# KiCad board xiao_Breadboard_r1.kicad_pcb
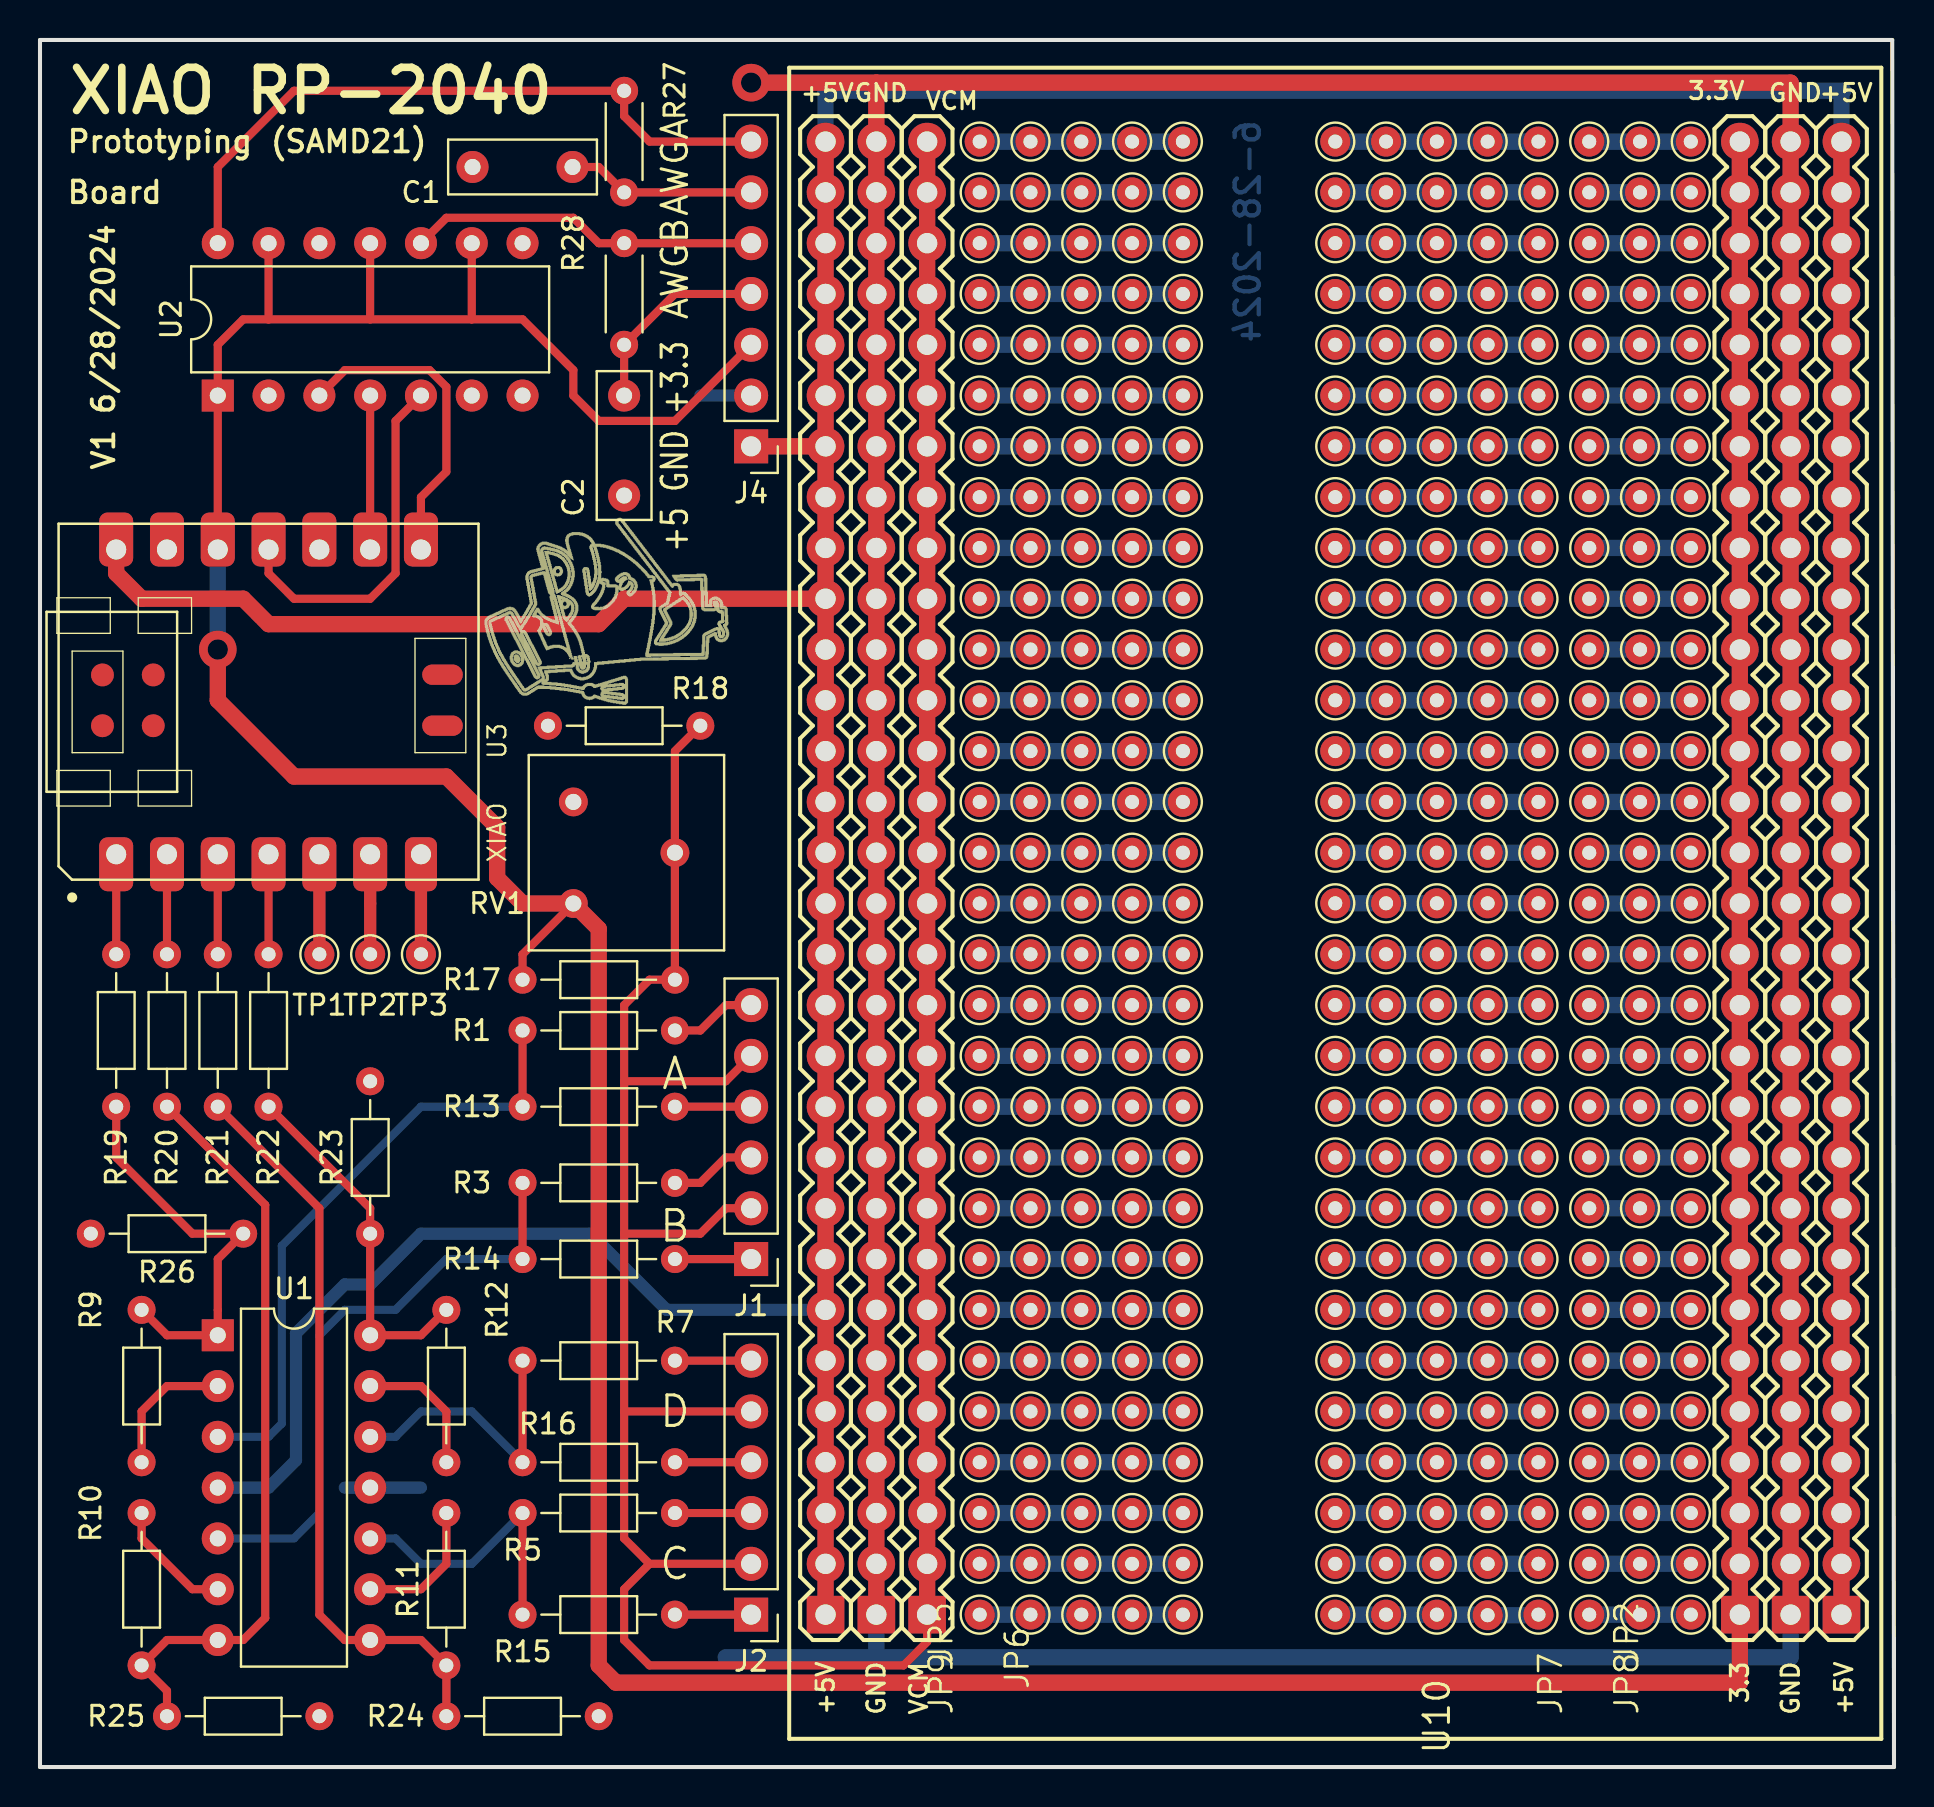
[diagram p0: board, top side]
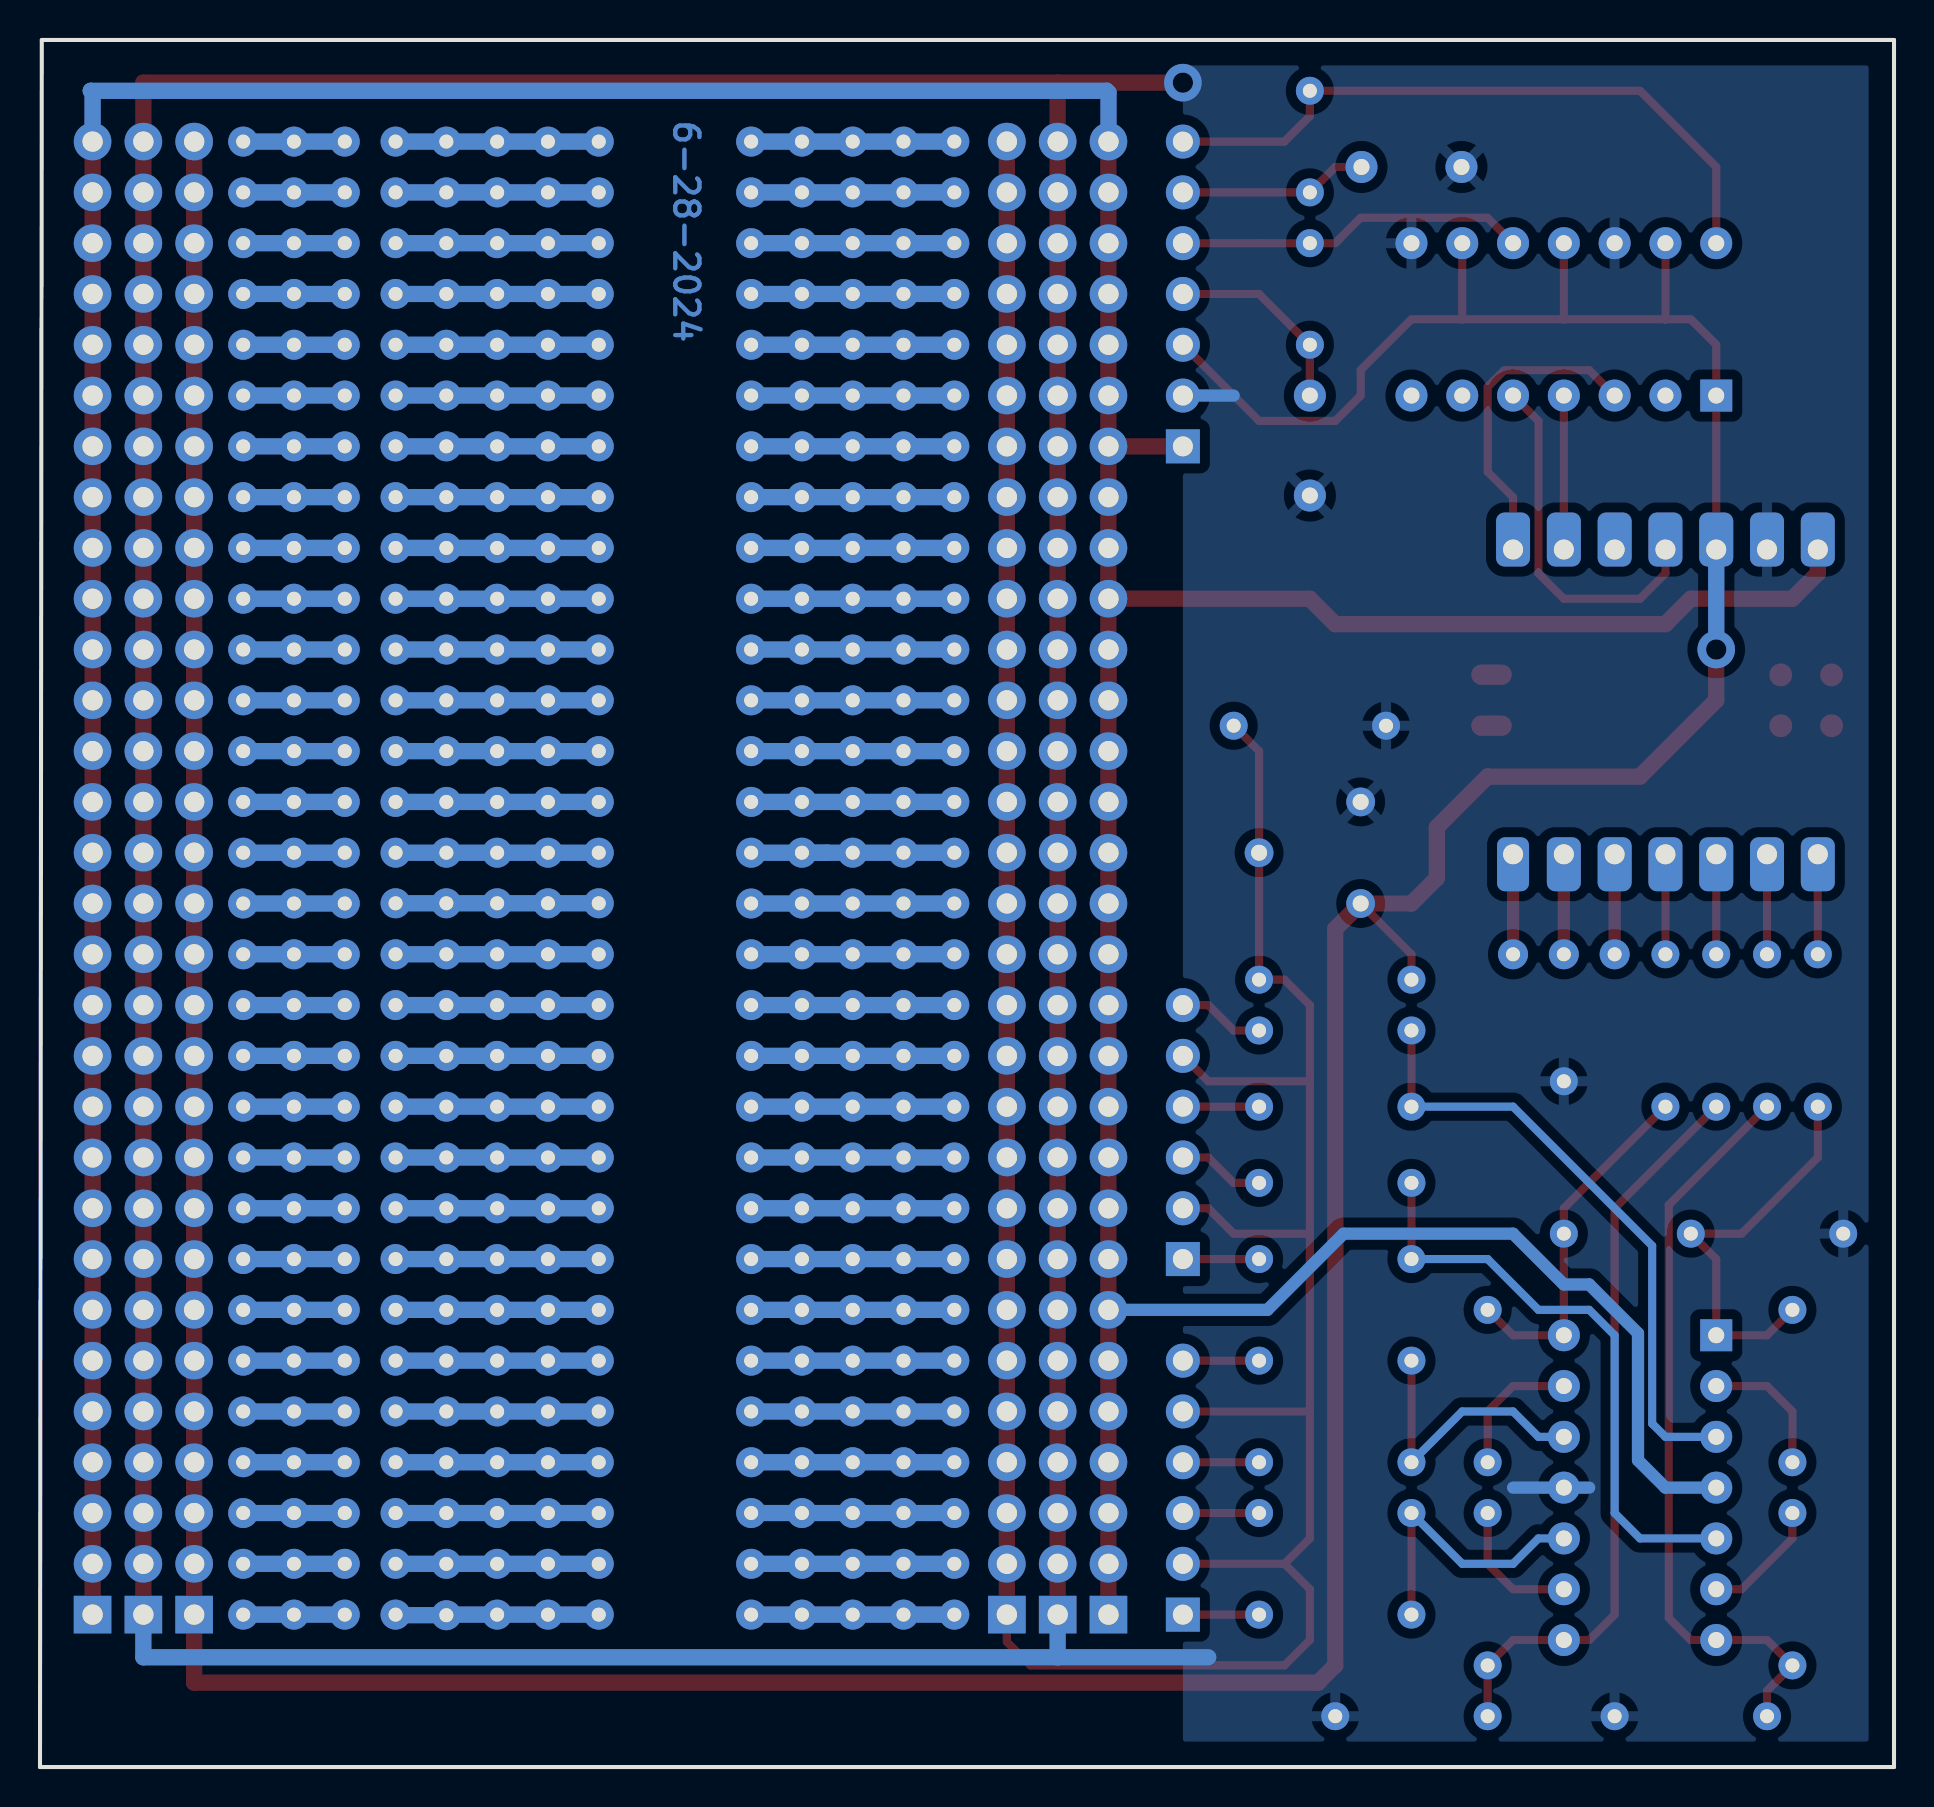
[diagram p1: board, bottom side, seen from below]

Outline 92.71 x 86.36 mm; copper layers: Top, Bottom. Coordinates in mm from the lower left corner of the outline.
Outline path: 0,86.36 0,0 92.71,0 92.62,86.36 0,86.36
Stack: Top 0.035mm / dielectric 1.51mm FR4 er 4.5 / Bottom 0.035mm

## Placement (name value [footprint] x y rotation side)
C1  C  [C_Rect_L7.2mm_W2.5mm_P5.00mm_FKS2_FKP2_MKS2_MKP2]  26.63 80.01 180 top
C2  C  [C_Rect_L7.2mm_W2.5mm_P5.00mm_FKS2_FKP2_MKS2_MKP2]  29.21 68.58 270 top
J1  Conn_01x06_Pin  [PinHeader_1x06_P2.54mm_Vertical]  35.56 25.4 180 top
J2  Conn_01x06_Pin  [PinHeader_1x06_P2.54mm_Vertical]  35.56 7.62 180 top
J4  Conn_01x07_Pin  [PinHeader_1x07_P2.54mm_Vertical]  35.56 66.04 180 top
JP2  M30  [1X30]  85 7.62 90 top
JP5  M30  [1X30]  41.82 7.62 90 top
JP6  M30  [1X30]  39.28 7.62 90 top
JP7  M30  [1X30]  87.54 7.62 90 top
JP8  M30  [1X30]  90.08 7.62 90 top
JP9  M30  [1X30]  44.36 7.62 90 top
NOREF  -  [Proffessor]  36.45 57.53 90 top
R1  910k  [R_Axial_DIN0204_L3.6mm_D1.6mm_P7.62mm_Horizontal]  24.13 36.83 0 top
R3  910k  [R_Axial_DIN0204_L3.6mm_D1.6mm_P7.62mm_Horizontal]  24.13 29.21 0 top
R5  910k  [R_Axial_DIN0204_L3.6mm_D1.6mm_P7.62mm_Horizontal]  24.13 12.7 0 top
R7  910k  [R_Axial_DIN0204_L3.6mm_D1.6mm_P7.62mm_Horizontal]  24.13 20.32 0 top
R9  100k  [R_Axial_DIN0204_L3.6mm_D1.6mm_P7.62mm_Horizontal]  5.08 22.86 270 top
R10  100k  [R_Axial_DIN0204_L3.6mm_D1.6mm_P7.62mm_Horizontal]  5.08 5.08 90 top
R11  100k  [R_Axial_DIN0204_L3.6mm_D1.6mm_P7.62mm_Horizontal]  20.32 5.08 90 top
R12  100k  [R_Axial_DIN0204_L3.6mm_D1.6mm_P7.62mm_Horizontal]  20.32 22.86 270 top
R13  100k  [R_Axial_DIN0204_L3.6mm_D1.6mm_P7.62mm_Horizontal]  24.13 33.02 0 top
R14  100k  [R_Axial_DIN0204_L3.6mm_D1.6mm_P7.62mm_Horizontal]  24.13 25.4 0 top
R15  100k  [R_Axial_DIN0204_L3.6mm_D1.6mm_P7.62mm_Horizontal]  24.13 7.62 0 top
R16  100k  [R_Axial_DIN0204_L3.6mm_D1.6mm_P7.62mm_Horizontal]  24.13 15.24 0 top
R17  100  [R_Axial_DIN0204_L3.6mm_D1.6mm_P7.62mm_Horizontal]  24.13 39.37 0 top
R18  100  [R_Axial_DIN0204_L3.6mm_D1.6mm_P7.62mm_Horizontal]  33.02 52.07 180 top
R19  220  [R_Axial_DIN0204_L3.6mm_D1.6mm_P7.62mm_Horizontal]  3.81 40.64 270 top
R20  220  [R_Axial_DIN0204_L3.6mm_D1.6mm_P7.62mm_Horizontal]  6.35 40.64 270 top
R21  220  [R_Axial_DIN0204_L3.6mm_D1.6mm_P7.62mm_Horizontal]  8.89 40.64 270 top
R22  220  [R_Axial_DIN0204_L3.6mm_D1.6mm_P7.62mm_Horizontal]  11.43 40.64 270 top
R23  510  [R_Axial_DIN0204_L3.6mm_D1.6mm_P7.62mm_Horizontal]  16.51 26.67 90 top
R24  510  [R_Axial_DIN0204_L3.6mm_D1.6mm_P7.62mm_Horizontal]  20.32 2.54 0 top
R25  510  [R_Axial_DIN0204_L3.6mm_D1.6mm_P7.62mm_Horizontal]  6.35 2.54 0 top
R26  510  [R_Axial_DIN0204_L3.6mm_D1.6mm_P7.62mm_Horizontal]  10.16 26.67 180 top
R27  1k  [R_Axial_DIN0204_L3.6mm_D1.6mm_P5.08mm_Horizontal]  29.21 78.74 90 top
R28  1k  [R_Axial_DIN0204_L3.6mm_D1.6mm_P5.08mm_Horizontal]  29.21 71.12 90 top
RV1  500  [Potentiometer_Bourns_3386F_Vertical]  26.67 43.18 0 top
TP1  ~  [TestPoint_THTPad_D1.5mm_Drill0.7mm]  13.97 40.64 0 top
TP2  ~  [TestPoint_THTPad_D1.5mm_Drill0.7mm]  16.51 40.64 0 top
TP3  ~  [TestPoint_THTPad_D1.5mm_Drill0.7mm]  19.05 40.64 0 top
TP4  ~  [TestPoint_THTPad_D1.5mm_Drill0.7mm]  46.99 81.28 0 top
TP5  ~  [TestPoint_THTPad_D1.5mm_Drill0.7mm]  49.53 81.28 0 top
TP6  ~  [TestPoint_THTPad_D1.5mm_Drill0.7mm]  52.07 81.28 0 top
TP7  ~  [TestPoint_THTPad_D1.5mm_Drill0.7mm]  54.61 81.28 0 top
TP8  ~  [TestPoint_THTPad_D1.5mm_Drill0.7mm]  57.15 81.28 0 top
TP9  ~  [TestPoint_THTPad_D1.5mm_Drill0.7mm]  46.99 78.74 0 top
TP10  ~  [TestPoint_THTPad_D1.5mm_Drill0.7mm]  49.53 78.74 0 top
TP11  ~  [TestPoint_THTPad_D1.5mm_Drill0.7mm]  52.07 78.74 0 top
TP12  ~  [TestPoint_THTPad_D1.5mm_Drill0.7mm]  54.61 78.74 0 top
TP13  ~  [TestPoint_THTPad_D1.5mm_Drill0.7mm]  57.15 78.74 0 top
TP14  ~  [TestPoint_THTPad_D1.5mm_Drill0.7mm]  46.99 76.2 0 top
TP15  ~  [TestPoint_THTPad_D1.5mm_Drill0.7mm]  52.07 76.2 0 top
TP16  ~  [TestPoint_THTPad_D1.5mm_Drill0.7mm]  49.53 76.2 0 top
TP17  ~  [TestPoint_THTPad_D1.5mm_Drill0.7mm]  54.61 76.2 0 top
TP18  ~  [TestPoint_THTPad_D1.5mm_Drill0.7mm]  57.15 76.2 0 top
TP19  ~  [TestPoint_THTPad_D1.5mm_Drill0.7mm]  46.99 73.66 0 top
TP20  ~  [TestPoint_THTPad_D1.5mm_Drill0.7mm]  49.53 73.66 0 top
TP21  ~  [TestPoint_THTPad_D1.5mm_Drill0.7mm]  52.07 73.66 0 top
TP22  ~  [TestPoint_THTPad_D1.5mm_Drill0.7mm]  54.61 73.66 0 top
TP23  ~  [TestPoint_THTPad_D1.5mm_Drill0.7mm]  57.15 73.66 0 top
TP24  ~  [TestPoint_THTPad_D1.5mm_Drill0.7mm]  46.99 71.12 0 top
TP25  ~  [TestPoint_THTPad_D1.5mm_Drill0.7mm]  49.53 71.12 0 top
TP26  ~  [TestPoint_THTPad_D1.5mm_Drill0.7mm]  52.07 71.12 0 top
TP27  ~  [TestPoint_THTPad_D1.5mm_Drill0.7mm]  54.61 71.12 0 top
TP28  ~  [TestPoint_THTPad_D1.5mm_Drill0.7mm]  57.15 71.12 0 top
TP29  ~  [TestPoint_THTPad_D1.5mm_Drill0.7mm]  46.99 68.58 0 top
TP30  ~  [TestPoint_THTPad_D1.5mm_Drill0.7mm]  49.53 68.58 0 top
TP31  ~  [TestPoint_THTPad_D1.5mm_Drill0.7mm]  52.07 68.58 0 top
TP32  ~  [TestPoint_THTPad_D1.5mm_Drill0.7mm]  54.61 68.58 0 top
TP33  ~  [TestPoint_THTPad_D1.5mm_Drill0.7mm]  57.15 68.58 0 top
TP34  ~  [TestPoint_THTPad_D1.5mm_Drill0.7mm]  46.99 66.04 0 top
TP35  ~  [TestPoint_THTPad_D1.5mm_Drill0.7mm]  49.53 66.04 0 top
TP36  ~  [TestPoint_THTPad_D1.5mm_Drill0.7mm]  52.07 66.04 0 top
TP37  ~  [TestPoint_THTPad_D1.5mm_Drill0.7mm]  54.61 66.04 0 top
TP38  ~  [TestPoint_THTPad_D1.5mm_Drill0.7mm]  57.15 66.04 0 top
TP39  ~  [TestPoint_THTPad_D1.5mm_Drill0.7mm]  46.99 63.5 0 top
TP40  ~  [TestPoint_THTPad_D1.5mm_Drill0.7mm]  49.53 63.5 0 top
TP41  ~  [TestPoint_THTPad_D1.5mm_Drill0.7mm]  52.07 63.5 0 top
TP42  ~  [TestPoint_THTPad_D1.5mm_Drill0.7mm]  54.61 63.5 0 top
TP43  ~  [TestPoint_THTPad_D1.5mm_Drill0.7mm]  57.15 63.5 0 top
TP44  ~  [TestPoint_THTPad_D1.5mm_Drill0.7mm]  46.99 60.96 0 top
TP45  ~  [TestPoint_THTPad_D1.5mm_Drill0.7mm]  49.53 60.96 0 top
TP46  ~  [TestPoint_THTPad_D1.5mm_Drill0.7mm]  52.07 60.96 0 top
TP47  ~  [TestPoint_THTPad_D1.5mm_Drill0.7mm]  54.61 60.96 0 top
TP48  ~  [TestPoint_THTPad_D1.5mm_Drill0.7mm]  57.15 60.96 0 top
TP49  ~  [TestPoint_THTPad_D1.5mm_Drill0.7mm]  46.99 58.42 0 top
TP50  ~  [TestPoint_THTPad_D1.5mm_Drill0.7mm]  49.53 58.42 0 top
TP51  ~  [TestPoint_THTPad_D1.5mm_Drill0.7mm]  52.07 58.42 0 top
TP52  ~  [TestPoint_THTPad_D1.5mm_Drill0.7mm]  54.61 58.42 0 top
TP53  ~  [TestPoint_THTPad_D1.5mm_Drill0.7mm]  57.15 58.42 0 top
TP54  ~  [TestPoint_THTPad_D1.5mm_Drill0.7mm]  46.99 55.88 0 top
TP55  ~  [TestPoint_THTPad_D1.5mm_Drill0.7mm]  49.53 55.88 0 top
TP56  ~  [TestPoint_THTPad_D1.5mm_Drill0.7mm]  52.07 55.88 0 top
TP57  ~  [TestPoint_THTPad_D1.5mm_Drill0.7mm]  54.61 55.88 0 top
TP58  ~  [TestPoint_THTPad_D1.5mm_Drill0.7mm]  57.15 55.88 0 top
TP59  ~  [TestPoint_THTPad_D1.5mm_Drill0.7mm]  46.99 53.34 0 top
TP60  ~  [TestPoint_THTPad_D1.5mm_Drill0.7mm]  49.53 53.34 0 top
TP61  ~  [TestPoint_THTPad_D1.5mm_Drill0.7mm]  52.07 53.34 0 top
TP62  ~  [TestPoint_THTPad_D1.5mm_Drill0.7mm]  54.61 53.34 0 top
TP63  ~  [TestPoint_THTPad_D1.5mm_Drill0.7mm]  57.15 53.34 0 top
TP64  ~  [TestPoint_THTPad_D1.5mm_Drill0.7mm]  46.99 50.8 0 top
TP65  ~  [TestPoint_THTPad_D1.5mm_Drill0.7mm]  49.53 50.8 0 top
TP66  ~  [TestPoint_THTPad_D1.5mm_Drill0.7mm]  52.07 50.8 0 top
TP67  ~  [TestPoint_THTPad_D1.5mm_Drill0.7mm]  54.61 50.8 0 top
TP68  ~  [TestPoint_THTPad_D1.5mm_Drill0.7mm]  57.15 50.8 0 top
TP69  ~  [TestPoint_THTPad_D1.5mm_Drill0.7mm]  46.99 48.26 0 top
TP70  ~  [TestPoint_THTPad_D1.5mm_Drill0.7mm]  49.53 48.26 0 top
TP71  ~  [TestPoint_THTPad_D1.5mm_Drill0.7mm]  52.07 48.26 0 top
TP72  ~  [TestPoint_THTPad_D1.5mm_Drill0.7mm]  54.61 48.26 0 top
TP73  ~  [TestPoint_THTPad_D1.5mm_Drill0.7mm]  57.15 48.26 0 top
TP74  ~  [TestPoint_THTPad_D1.5mm_Drill0.7mm]  46.99 45.72 0 top
TP75  ~  [TestPoint_THTPad_D1.5mm_Drill0.7mm]  49.53 45.72 0 top
TP76  ~  [TestPoint_THTPad_D1.5mm_Drill0.7mm]  52.07 45.72 0 top
TP77  ~  [TestPoint_THTPad_D1.5mm_Drill0.7mm]  54.61 45.72 0 top
TP78  ~  [TestPoint_THTPad_D1.5mm_Drill0.7mm]  57.15 45.72 0 top
TP79  ~  [TestPoint_THTPad_D1.5mm_Drill0.7mm]  57.15 38.1 0 top
TP80  ~  [TestPoint_THTPad_D1.5mm_Drill0.7mm]  54.61 38.1 0 top
TP81  ~  [TestPoint_THTPad_D1.5mm_Drill0.7mm]  52.07 38.1 0 top
TP82  ~  [TestPoint_THTPad_D1.5mm_Drill0.7mm]  49.53 38.1 0 top
TP83  ~  [TestPoint_THTPad_D1.5mm_Drill0.7mm]  46.99 38.1 0 top
TP84  ~  [TestPoint_THTPad_D1.5mm_Drill0.7mm]  46.99 40.64 0 top
TP85  ~  [TestPoint_THTPad_D1.5mm_Drill0.7mm]  49.53 40.64 0 top
TP86  ~  [TestPoint_THTPad_D1.5mm_Drill0.7mm]  52.07 40.64 0 top
TP87  ~  [TestPoint_THTPad_D1.5mm_Drill0.7mm]  54.61 40.64 0 top
TP88  ~  [TestPoint_THTPad_D1.5mm_Drill0.7mm]  57.15 40.64 0 top
TP89  ~  [TestPoint_THTPad_D1.5mm_Drill0.7mm]  46.99 43.18 0 top
TP90  ~  [TestPoint_THTPad_D1.5mm_Drill0.7mm]  49.53 43.18 0 top
TP91  ~  [TestPoint_THTPad_D1.5mm_Drill0.7mm]  52.07 43.18 0 top
TP92  ~  [TestPoint_THTPad_D1.5mm_Drill0.7mm]  54.61 43.18 0 top
TP93  ~  [TestPoint_THTPad_D1.5mm_Drill0.7mm]  57.15 43.18 0 top
TP94  ~  [TestPoint_THTPad_D1.5mm_Drill0.7mm]  46.99 35.56 0 top
TP95  ~  [TestPoint_THTPad_D1.5mm_Drill0.7mm]  49.53 35.56 0 top
TP96  ~  [TestPoint_THTPad_D1.5mm_Drill0.7mm]  52.07 35.56 0 top
TP97  ~  [TestPoint_THTPad_D1.5mm_Drill0.7mm]  54.61 35.56 0 top
TP98  ~  [TestPoint_THTPad_D1.5mm_Drill0.7mm]  57.15 35.56 0 top
TP99  ~  [TestPoint_THTPad_D1.5mm_Drill0.7mm]  46.99 33.02 0 top
TP100  ~  [TestPoint_THTPad_D1.5mm_Drill0.7mm]  49.53 33.02 0 top
TP101  ~  [TestPoint_THTPad_D1.5mm_Drill0.7mm]  52.07 33.02 0 top
TP102  ~  [TestPoint_THTPad_D1.5mm_Drill0.7mm]  54.61 33.02 0 top
TP103  ~  [TestPoint_THTPad_D1.5mm_Drill0.7mm]  57.15 33.02 0 top
TP104  ~  [TestPoint_THTPad_D1.5mm_Drill0.7mm]  46.99 30.48 0 top
TP105  ~  [TestPoint_THTPad_D1.5mm_Drill0.7mm]  49.53 30.48 0 top
TP106  ~  [TestPoint_THTPad_D1.5mm_Drill0.7mm]  52.07 30.48 0 top
TP107  ~  [TestPoint_THTPad_D1.5mm_Drill0.7mm]  54.61 30.48 0 top
TP108  ~  [TestPoint_THTPad_D1.5mm_Drill0.7mm]  57.15 30.48 0 top
TP109  ~  [TestPoint_THTPad_D1.5mm_Drill0.7mm]  46.99 27.94 0 top
TP110  ~  [TestPoint_THTPad_D1.5mm_Drill0.7mm]  49.53 27.94 0 top
TP111  ~  [TestPoint_THTPad_D1.5mm_Drill0.7mm]  52.07 27.94 0 top
TP112  ~  [TestPoint_THTPad_D1.5mm_Drill0.7mm]  54.61 27.94 0 top
TP113  ~  [TestPoint_THTPad_D1.5mm_Drill0.7mm]  57.15 27.94 0 top
TP114  ~  [TestPoint_THTPad_D1.5mm_Drill0.7mm]  46.99 25.4 0 top
TP115  ~  [TestPoint_THTPad_D1.5mm_Drill0.7mm]  49.53 25.4 0 top
TP116  ~  [TestPoint_THTPad_D1.5mm_Drill0.7mm]  52.07 25.4 0 top
TP117  ~  [TestPoint_THTPad_D1.5mm_Drill0.7mm]  54.61 25.4 0 top
TP118  ~  [TestPoint_THTPad_D1.5mm_Drill0.7mm]  57.15 25.4 0 top
TP119  ~  [TestPoint_THTPad_D1.5mm_Drill0.7mm]  46.99 22.86 0 top
TP120  ~  [TestPoint_THTPad_D1.5mm_Drill0.7mm]  49.53 22.86 0 top
TP121  ~  [TestPoint_THTPad_D1.5mm_Drill0.7mm]  52.07 22.86 0 top
TP122  ~  [TestPoint_THTPad_D1.5mm_Drill0.7mm]  54.61 22.86 0 top
TP123  ~  [TestPoint_THTPad_D1.5mm_Drill0.7mm]  57.15 22.86 0 top
TP124  ~  [TestPoint_THTPad_D1.5mm_Drill0.7mm]  49.53 20.32 0 top
TP125  ~  [TestPoint_THTPad_D1.5mm_Drill0.7mm]  46.99 20.32 0 top
TP126  ~  [TestPoint_THTPad_D1.5mm_Drill0.7mm]  52.07 20.32 0 top
TP127  ~  [TestPoint_THTPad_D1.5mm_Drill0.7mm]  54.61 20.32 0 top
TP128  ~  [TestPoint_THTPad_D1.5mm_Drill0.7mm]  57.15 20.32 0 top
TP129  ~  [TestPoint_THTPad_D1.5mm_Drill0.7mm]  46.99 15.24 0 top
TP130  ~  [TestPoint_THTPad_D1.5mm_Drill0.7mm]  49.53 15.24 0 top
TP131  ~  [TestPoint_THTPad_D1.5mm_Drill0.7mm]  52.07 15.24 0 top
TP132  ~  [TestPoint_THTPad_D1.5mm_Drill0.7mm]  54.61 15.24 0 top
TP133  ~  [TestPoint_THTPad_D1.5mm_Drill0.7mm]  57.15 15.24 0 top
TP134  ~  [TestPoint_THTPad_D1.5mm_Drill0.7mm]  46.99 12.7 0 top
TP135  ~  [TestPoint_THTPad_D1.5mm_Drill0.7mm]  49.53 12.7 0 top
TP136  ~  [TestPoint_THTPad_D1.5mm_Drill0.7mm]  52.07 12.7 0 top
TP137  ~  [TestPoint_THTPad_D1.5mm_Drill0.7mm]  54.61 12.7 0 top
TP138  ~  [TestPoint_THTPad_D1.5mm_Drill0.7mm]  57.15 12.7 0 top
TP139  ~  [TestPoint_THTPad_D1.5mm_Drill0.7mm]  46.99 17.78 0 top
TP140  ~  [TestPoint_THTPad_D1.5mm_Drill0.7mm]  49.53 17.78 0 top
TP141  ~  [TestPoint_THTPad_D1.5mm_Drill0.7mm]  52.07 17.78 0 top
TP142  ~  [TestPoint_THTPad_D1.5mm_Drill0.7mm]  54.61 17.78 0 top
TP143  ~  [TestPoint_THTPad_D1.5mm_Drill0.7mm]  57.15 17.78 0 top
TP144  ~  [TestPoint_THTPad_D1.5mm_Drill0.7mm]  46.99 10.16 0 top
TP145  ~  [TestPoint_THTPad_D1.5mm_Drill0.7mm]  49.53 10.16 0 top
TP146  ~  [TestPoint_THTPad_D1.5mm_Drill0.7mm]  52.07 10.16 0 top
TP147  ~  [TestPoint_THTPad_D1.5mm_Drill0.7mm]  54.61 10.16 0 top
TP148  ~  [TestPoint_THTPad_D1.5mm_Drill0.7mm]  57.15 10.16 0 top
TP149  ~  [TestPoint_THTPad_D1.5mm_Drill0.7mm]  46.99 7.62 0 top
TP150  ~  [TestPoint_THTPad_D1.5mm_Drill0.7mm]  49.53 7.62 0 top
TP151  ~  [TestPoint_THTPad_D1.5mm_Drill0.7mm]  52.07 7.62 0 top
TP152  ~  [TestPoint_THTPad_D1.5mm_Drill0.7mm]  54.61 7.62 0 top
TP153  ~  [TestPoint_THTPad_D1.5mm_Drill0.7mm]  57.15 7.62 0 top
TP154  ~  [TestPoint_THTPad_D1.5mm_Drill0.7mm]  64.77 81.28 0 top
TP155  ~  [TestPoint_THTPad_D1.5mm_Drill0.7mm]  67.31 81.28 0 top
TP156  ~  [TestPoint_THTPad_D1.5mm_Drill0.7mm]  69.85 81.28 0 top
TP157  ~  [TestPoint_THTPad_D1.5mm_Drill0.7mm]  72.39 81.28 0 top
TP158  ~  [TestPoint_THTPad_D1.5mm_Drill0.7mm]  74.93 81.28 0 top
TP159  ~  [TestPoint_THTPad_D1.5mm_Drill0.7mm]  64.77 78.74 0 top
TP160  ~  [TestPoint_THTPad_D1.5mm_Drill0.7mm]  67.31 78.74 0 top
TP161  ~  [TestPoint_THTPad_D1.5mm_Drill0.7mm]  69.85 78.74 0 top
TP162  ~  [TestPoint_THTPad_D1.5mm_Drill0.7mm]  72.39 78.74 0 top
TP163  ~  [TestPoint_THTPad_D1.5mm_Drill0.7mm]  74.93 78.74 0 top
TP164  ~  [TestPoint_THTPad_D1.5mm_Drill0.7mm]  64.77 76.2 0 top
TP165  ~  [TestPoint_THTPad_D1.5mm_Drill0.7mm]  67.31 76.2 0 top
TP166  ~  [TestPoint_THTPad_D1.5mm_Drill0.7mm]  69.85 76.2 0 top
TP167  ~  [TestPoint_THTPad_D1.5mm_Drill0.7mm]  72.39 76.2 0 top
TP168  ~  [TestPoint_THTPad_D1.5mm_Drill0.7mm]  74.93 76.2 0 top
TP169  ~  [TestPoint_THTPad_D1.5mm_Drill0.7mm]  64.77 73.66 0 top
TP170  ~  [TestPoint_THTPad_D1.5mm_Drill0.7mm]  67.31 73.66 0 top
TP171  ~  [TestPoint_THTPad_D1.5mm_Drill0.7mm]  69.85 73.66 0 top
TP172  ~  [TestPoint_THTPad_D1.5mm_Drill0.7mm]  72.39 73.66 0 top
TP173  ~  [TestPoint_THTPad_D1.5mm_Drill0.7mm]  74.93 73.66 0 top
TP174  ~  [TestPoint_THTPad_D1.5mm_Drill0.7mm]  64.77 71.12 0 top
TP175  ~  [TestPoint_THTPad_D1.5mm_Drill0.7mm]  67.31 71.12 0 top
TP176  ~  [TestPoint_THTPad_D1.5mm_Drill0.7mm]  69.85 71.12 0 top
TP177  ~  [TestPoint_THTPad_D1.5mm_Drill0.7mm]  72.39 71.12 0 top
TP178  ~  [TestPoint_THTPad_D1.5mm_Drill0.7mm]  74.93 71.12 0 top
TP179  ~  [TestPoint_THTPad_D1.5mm_Drill0.7mm]  69.85 68.58 0 top
TP180  ~  [TestPoint_THTPad_D1.5mm_Drill0.7mm]  64.77 68.58 0 top
TP181  ~  [TestPoint_THTPad_D1.5mm_Drill0.7mm]  67.31 68.58 0 top
TP182  ~  [TestPoint_THTPad_D1.5mm_Drill0.7mm]  72.39 68.58 0 top
TP183  ~  [TestPoint_THTPad_D1.5mm_Drill0.7mm]  74.93 68.58 0 top
TP184  ~  [TestPoint_THTPad_D1.5mm_Drill0.7mm]  64.77 66.04 0 top
TP185  ~  [TestPoint_THTPad_D1.5mm_Drill0.7mm]  67.31 66.04 0 top
TP186  ~  [TestPoint_THTPad_D1.5mm_Drill0.7mm]  69.85 66.04 0 top
TP187  ~  [TestPoint_THTPad_D1.5mm_Drill0.7mm]  72.39 66.04 0 top
TP188  ~  [TestPoint_THTPad_D1.5mm_Drill0.7mm]  74.93 66.04 0 top
TP189  ~  [TestPoint_THTPad_D1.5mm_Drill0.7mm]  64.77 63.5 0 top
TP190  ~  [TestPoint_THTPad_D1.5mm_Drill0.7mm]  67.31 63.5 0 top
TP191  ~  [TestPoint_THTPad_D1.5mm_Drill0.7mm]  69.85 63.5 0 top
TP192  ~  [TestPoint_THTPad_D1.5mm_Drill0.7mm]  72.39 63.5 0 top
TP193  ~  [TestPoint_THTPad_D1.5mm_Drill0.7mm]  74.93 63.5 0 top
TP194  ~  [TestPoint_THTPad_D1.5mm_Drill0.7mm]  64.77 60.96 0 top
TP195  ~  [TestPoint_THTPad_D1.5mm_Drill0.7mm]  67.31 60.96 0 top
TP196  ~  [TestPoint_THTPad_D1.5mm_Drill0.7mm]  69.85 60.96 0 top
TP197  ~  [TestPoint_THTPad_D1.5mm_Drill0.7mm]  72.39 60.96 0 top
TP198  ~  [TestPoint_THTPad_D1.5mm_Drill0.7mm]  74.93 60.96 0 top
TP199  ~  [TestPoint_THTPad_D1.5mm_Drill0.7mm]  64.77 58.42 0 top
TP200  ~  [TestPoint_THTPad_D1.5mm_Drill0.7mm]  67.31 58.42 0 top
TP201  ~  [TestPoint_THTPad_D1.5mm_Drill0.7mm]  69.85 58.42 0 top
TP202  ~  [TestPoint_THTPad_D1.5mm_Drill0.7mm]  72.39 58.42 0 top
TP203  ~  [TestPoint_THTPad_D1.5mm_Drill0.7mm]  74.93 58.42 0 top
TP204  ~  [TestPoint_THTPad_D1.5mm_Drill0.7mm]  64.77 55.88 0 top
TP205  ~  [TestPoint_THTPad_D1.5mm_Drill0.7mm]  67.31 55.88 0 top
TP206  ~  [TestPoint_THTPad_D1.5mm_Drill0.7mm]  69.85 55.88 0 top
TP207  ~  [TestPoint_THTPad_D1.5mm_Drill0.7mm]  72.39 55.88 0 top
TP208  ~  [TestPoint_THTPad_D1.5mm_Drill0.7mm]  74.93 55.88 0 top
TP209  ~  [TestPoint_THTPad_D1.5mm_Drill0.7mm]  64.77 53.34 0 top
TP210  ~  [TestPoint_THTPad_D1.5mm_Drill0.7mm]  67.31 53.34 0 top
TP211  ~  [TestPoint_THTPad_D1.5mm_Drill0.7mm]  69.85 53.34 0 top
TP212  ~  [TestPoint_THTPad_D1.5mm_Drill0.7mm]  72.39 53.34 0 top
TP213  ~  [TestPoint_THTPad_D1.5mm_Drill0.7mm]  74.93 53.34 0 top
TP214  ~  [TestPoint_THTPad_D1.5mm_Drill0.7mm]  64.77 50.8 0 top
TP215  ~  [TestPoint_THTPad_D1.5mm_Drill0.7mm]  67.31 50.8 0 top
TP216  ~  [TestPoint_THTPad_D1.5mm_Drill0.7mm]  69.85 50.8 0 top
TP217  ~  [TestPoint_THTPad_D1.5mm_Drill0.7mm]  72.39 50.8 0 top
TP218  ~  [TestPoint_THTPad_D1.5mm_Drill0.7mm]  74.93 50.8 0 top
TP219  ~  [TestPoint_THTPad_D1.5mm_Drill0.7mm]  64.77 48.26 0 top
TP220  ~  [TestPoint_THTPad_D1.5mm_Drill0.7mm]  67.31 48.26 0 top
TP221  ~  [TestPoint_THTPad_D1.5mm_Drill0.7mm]  69.85 48.26 0 top
TP222  ~  [TestPoint_THTPad_D1.5mm_Drill0.7mm]  72.39 48.26 0 top
TP223  ~  [TestPoint_THTPad_D1.5mm_Drill0.7mm]  74.93 48.26 0 top
TP224  ~  [TestPoint_THTPad_D1.5mm_Drill0.7mm]  64.77 45.72 0 top
TP225  ~  [TestPoint_THTPad_D1.5mm_Drill0.7mm]  67.31 45.72 0 top
TP226  ~  [TestPoint_THTPad_D1.5mm_Drill0.7mm]  69.85 45.72 0 top
TP227  ~  [TestPoint_THTPad_D1.5mm_Drill0.7mm]  72.39 45.72 0 top
TP228  ~  [TestPoint_THTPad_D1.5mm_Drill0.7mm]  74.93 45.72 0 top
TP229  ~  [TestPoint_THTPad_D1.5mm_Drill0.7mm]  64.77 43.19 0 top
TP230  ~  [TestPoint_THTPad_D1.5mm_Drill0.7mm]  67.31 43.19 0 top
TP231  ~  [TestPoint_THTPad_D1.5mm_Drill0.7mm]  69.85 43.19 0 top
TP232  ~  [TestPoint_THTPad_D1.5mm_Drill0.7mm]  72.39 43.19 0 top
TP233  ~  [TestPoint_THTPad_D1.5mm_Drill0.7mm]  74.93 43.19 0 top
TP234  ~  [TestPoint_THTPad_D1.5mm_Drill0.7mm]  74.93 40.64 0 top
TP235  ~  [TestPoint_THTPad_D1.5mm_Drill0.7mm]  72.39 40.64 0 top
TP236  ~  [TestPoint_THTPad_D1.5mm_Drill0.7mm]  69.85 40.64 0 top
TP237  ~  [TestPoint_THTPad_D1.5mm_Drill0.7mm]  67.31 40.64 0 top
TP238  ~  [TestPoint_THTPad_D1.5mm_Drill0.7mm]  64.77 40.64 0 top
TP239  ~  [TestPoint_THTPad_D1.5mm_Drill0.7mm]  64.77 38.1 0 top
TP240  ~  [TestPoint_THTPad_D1.5mm_Drill0.7mm]  67.31 38.1 0 top
TP241  ~  [TestPoint_THTPad_D1.5mm_Drill0.7mm]  69.85 38.1 0 top